# Altium PCB Copy of PCB1.PcbDoc (part 2 of 2)
Units mm, origin at the board's own origin, x right, y up, seen from the top; angles counter-clockwise.
Board outline 138.99 x 99.31 mm, 2 copper layers (Top Layer, Bottom Layer); 258 components, 212 nets, 701 pads, 41 vias.
Unrouted connection lines stored in the file: 158.
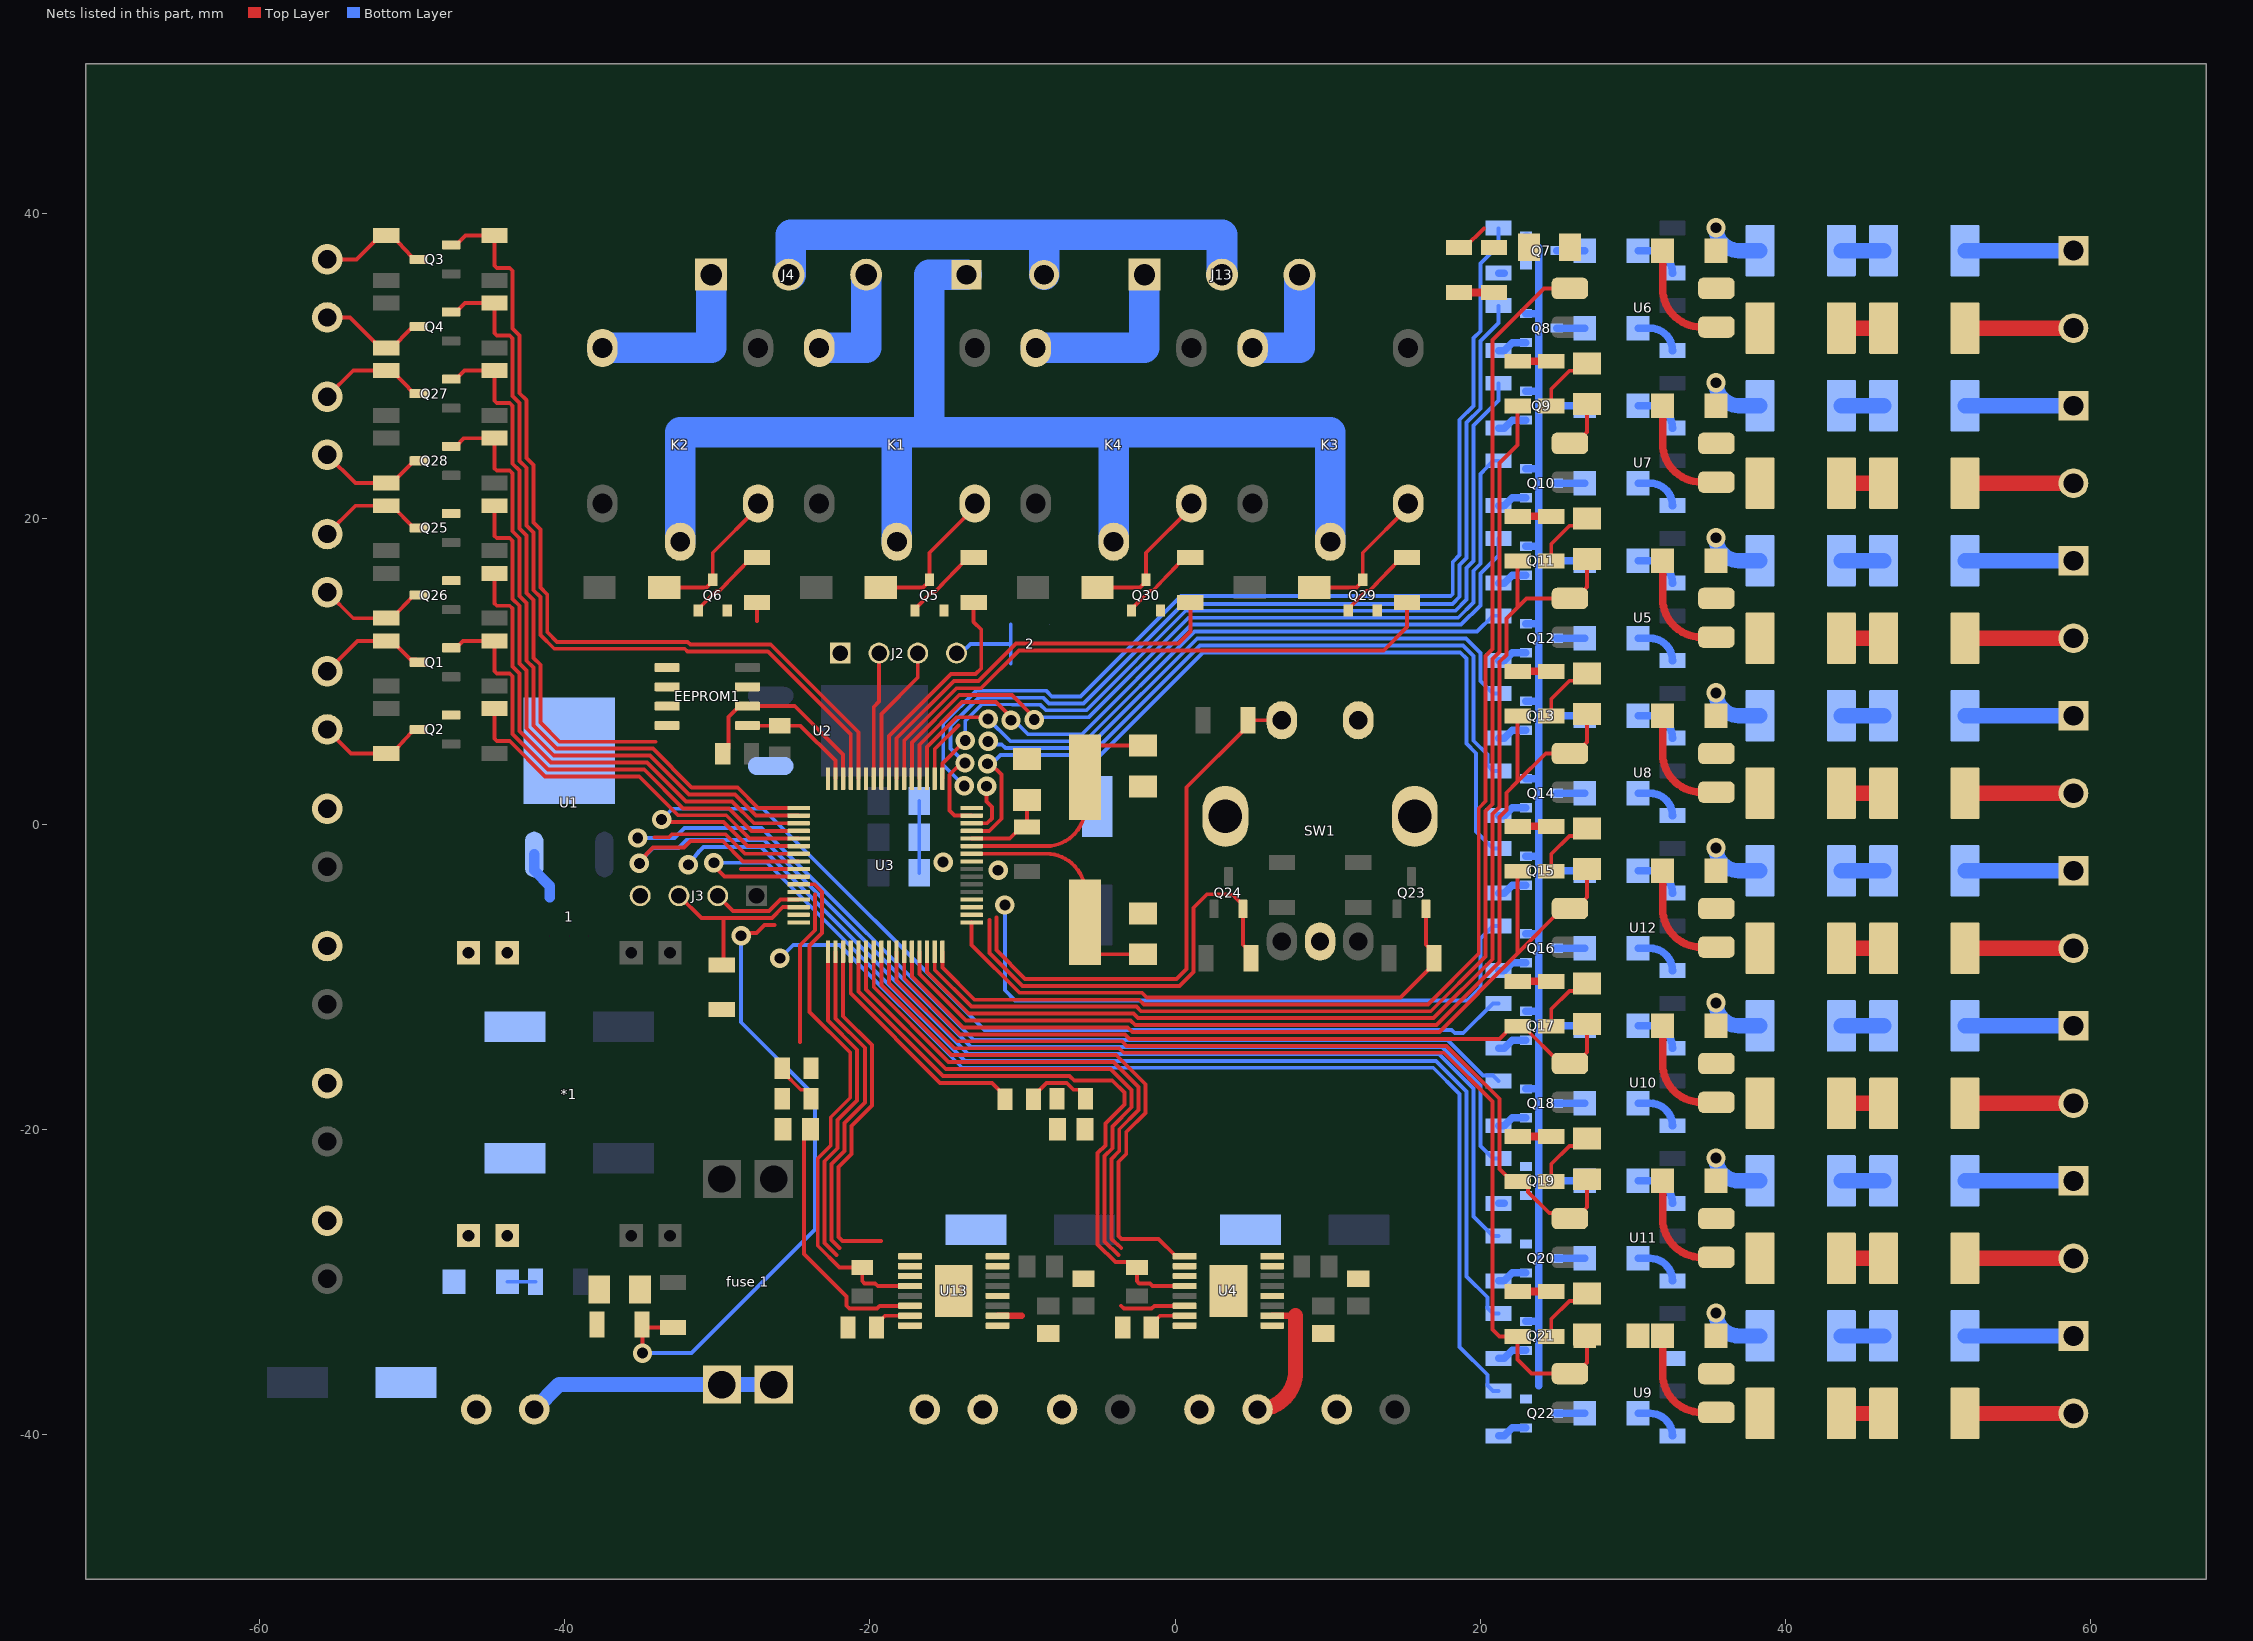
[diagram p2: the nets of this part, all layers, seen from the top]

## Via types
v1: diameter 1.27, hole 0.711, Top Layer to Bottom Layer, 41 vias

## Nets (pads, with @x,y where several pads share a name; then routed paths per layer and width w, separated by ;. In a path a pad name is that pad's centre, name@x,y a point inside that pad or via, vN(x,y) a via of type N, cw(c..) or ccw(c..) an arc to the next point about the centre after c; other vN are vias at no path point) (continued)
GND: *1.2 *1.3 C1.2 C2.2 C3.2 C4.1 C5.2 C6.1 C7.1 C8.1 C9.1 C10.1 C11.1 C12.1 C13.2 C14.1 C25.1 C26.2 C27.1 D1.1 EEPROM1.0 EEPROM1.1 EEPROM1.2 EEPROM1.3 EEPROM1.6 J2.01 J3.04 P1.1 P2.1 P5.1 P6.1 P8.1 P11.1 P12.1 Q5.2 Q6.2 Q7.2 Q8.2 Q9.2 Q10.2 Q11.2 Q12.2 Q13.2 Q14.2 Q15.2 Q16.2 Q17.2 Q18.2 Q19.2 Q20.2 Q21.2 Q22.2 Q29.2 Q30.2 R3.1 R4.2 R13.2 R14.1 R67.1 R68.1 R69.1 R70.1 R79.1 R80.1 R81.1 R82.1 R91.1 R92.1 R93.1 R94.1 R103.1 R104.1 R105.1 R106.1 R112.2 R113.1 SW1.2 SW1.5 SW1.SH1 SW1.SH2 U1.4 U2.1 U3.9 U4.9 U4.15 U4.16 U4.17 U13.9 U13.15 U13.16 U13.17 | length 108.4
  Top Layer w0.5: R68.1@18.6,34.83 R70.1@20.9,34.83 ; R91.1@22.45,-30.635 R93.1@24.656,-30.635 ; R103.1@22.45,-20.475 R105.1@24.656,-20.475 ; R92.1@22.45,-10.315 R94.1@24.656,-10.315 ; R104.1@22.45,-0.155 R106.1@24.656,-0.155 ; R80.1@22.45,10.005 R82.1@24.656,10.005 ; R67.1@22.45,20.165 R69.1@24.656,20.165 ; R79.1@22.45,30.325 R81.1@24.656,30.325
  Bottom Layer w0.254: C9.1@-16.764,-3.2 C10.1@-16.764,-0.875 C8.1@-16.764,1.5
  Bottom Layer w0.5: Q21.2@22.99,-32.595 23.84,-32.595 ; Q18.2@22.99,-17.355 23.84,-17.355 ; Q17.2@22.99,-12.275 23.84,-12.275 ; Q16.2@22.99,-7.195 23.84,-7.195 ; Q15.2@22.99,-2.115 23.84,-2.115 ; Q14.2@22.99,2.965 23.84,2.965 ; Q13.2@22.99,8.045 23.84,8.045 ; Q12.2@22.99,13.125 23.84,13.125 ; Q11.2@22.99,18.205 23.84,18.205 ; Q10.2@22.99,23.285 23.84,23.285 ; Q9.2@22.99,28.365 23.84,28.365 ; Q8.2@22.99,33.445 23.84,33.445 ; Q7.2@22.99,38.525 23.09,38.525 23.84,37.775 23.84,33.445 ; 23.84,-36.825 23.84,-32.595 ; 23.84,-32.595 23.84,-17.355 ; 23.84,-17.355 23.84,-12.275 ; 23.84,-12.275 23.84,-7.195 ; 23.84,-7.195 23.84,-2.115 ; 23.84,-2.115 23.84,2.965 ; 23.84,2.965 23.84,8.045 ; 23.84,8.045 23.84,13.125 ; 23.84,13.125 23.84,18.205 ; 23.84,18.205 23.84,23.285 ; 23.84,23.285 23.84,28.365 ; 23.84,28.365 23.84,33.445
  other v1: -11.6,-3.029 -15.2,-2.5
JACK-1-ENC-A: P4.2 Q2.3 R9.1 | length 7.3
  Top Layer w0.254: P4.2@-55.565,6.195 -54,4.63 R9.1@-51.7,4.63 -51.33,4.63 -50.048,6.009 -49.875,6.195 Q2.3@-49.56,6.195
JACK-1-ENC-B: P4.1 Q1.3 R8.1 | length 7.4
  Top Layer w0.254: P4.1@-55.565,10.005 -53.571,11.999 R8.1@-51.7,11.999 -51.33,11.999 -50.101,10.769 -49.733,10.769 Q1.3@-49.56,10.596
JACK-2-ENC-A: P10.2 Q26.3 R108.1 | length 7.4
  Top Layer w0.254: P10.2@-55.565,15.195 -53.857,13.487 R108.1@-51.7,13.487 -51.33,13.487 -49.875,14.998 Q26.3@-49.56,14.998
JACK-2-ENC-B: P10.1 Q25.3 R107.1 | length 7.4
  Top Layer w0.254: P10.1@-55.565,19.005 -53.714,20.856 R107.1@-51.7,20.856 -51.33,20.856 -49.875,19.399 Q25.3@-49.56,19.399
jack_extend1: P3.1 U4.8
jack_extend2: P9.1 U13.8
jack_retract1: P3.2 U4.10 | length 9.1
  Top Layer w0.41: U4.10@6.37,-32.225 7.9,-32.225
  Top Layer w1: P3.2@5.405,-38.365 ccw(c5.405,-35.87) 7.9,-35.87 7.9,-32.225
jack_retract2: P9.2 U13.10 | length 1.6
  Top Layer w0.41: U13.10@-11.63,-32.225 -10.049,-32.225
Motor1_NC: J4.03 K1.3 | length 7.9
  Bottom Layer w2: K1.3@-23.325,31.2 -20.245,31.2 J4.03@-20.245,36
Motor1_NO: J4.01 K2.3 | length 11.9
  Bottom Layer w2: K2.3@-37.525,31.2 -30.405,31.2 J4.01@-30.405,36
Motor2_NC: J13.03 K3.3 | length 7.9
  Bottom Layer w2: K3.3@5.075,31.2 8.155,31.2 J13.03@8.155,36
Motor2_NO: J13.01 K4.3 | length 11.9
  Bottom Layer w2: K4.3@-9.125,31.2 -2.005,31.2 J13.01@-2.005,36
MOTOR-1-ENC-A: P7.2 Q4.3 R17.1 | length 7.4
  Top Layer w0.254: P7.2@-55.565,33.195 -54.064,33.195 -52.07,31.201 R17.1@-51.7,31.201 -51.33,31.201 -50.101,32.431 -49.733,32.431 Q4.3@-49.56,32.604
MOTOR-1-ENC-B: P7.1 Q3.3 R16.1 | length 7.3
  Top Layer w0.254: P7.1@-55.565,37.005 -53.635,37.005 -52.07,38.57 R16.1@-51.7,38.57 -51.33,38.57 -50.048,37.191 -49.875,37.005 Q3.3@-49.56,37.005
MOTOR-2-ENC-A: P13.2 Q28.3 R116.1 | length 7.4
  Top Layer w0.254: P13.2@-55.565,24.195 -53.714,22.344 R116.1@-51.7,22.344 -51.33,22.344 -49.875,23.801 Q28.3@-49.56,23.801
MOTOR-2-ENC-B: P13.1 Q27.3 R115.1 | length 7.4
  Top Layer w0.254: P13.1@-55.565,28.005 -53.857,29.713 R115.1@-51.7,29.713 -51.33,29.713 -49.875,28.202 Q27.3@-49.56,28.202
Net1_1: 1.1 U1.3 | length 3.2
  Bottom Layer w0.7: U1.3@-42,-2 -42,-3.035 -40.97,-4.065 1.1@-40.97,-4.8
Net2_1: 2.1 2.2 2.3 J2.04 | length 6.3
  Bottom Layer w0.254: J2.04@-14.32,11.2 -14.018,11.2 -13.418,11.8 2.2@-10.77,11.8 ; 2.1@-10.77,10.53 2.2@-10.77,11.8 ; 2.3@-10.77,13.07 2.2@-10.77,11.8
NetC4_2: C4.2 R2.1 R3.2 U3.47 | length 42.1
  Top Layer w0.254: v1(-34.9,-34.671) -34.9,-33 R2.1@-32.9,-33 ; v1(-28.438,-7.327) -28.244,-7.133 -27.422,-7.133 -26.909,-6.619 -26.235,-6.619
  Bottom Layer w0.254: v1(-34.9,-34.671) -31.699,-34.671 -23.597,-26.568 -23.597,-17.834 -28.438,-12.993 v1(-28.438,-7.327)
NetC11_2: C11.2 R5.1 U3.12 | length 5.7
  Top Layer w0.254: U3.12@-13.33,-0.95 -10.838,-0.95 -10.07,-0.182 R5.1@-9.7,-0.182 C11.2@-9.7,1.585
NetC12_2: C12.2 R12.1 R14.2 U4.6 | length 8.9
  Top Layer w0.254: R12.1@-9.276,-18.034 -9.276,-17.824 -8.415,-16.963 -7.1,-16.963 -6.646,-17.417 -6.238,-17.417 -5.865,-17.79 R14.2@-5.865,-18 ; -3.537,-31.57 -3.345,-31.762 -1.544,-31.762 -1.357,-31.575 U4.6@0.63,-31.575
NetC17_1: C17.1 R69.2 | length 4.2
  Top Layer w0.254: R69.2@24.656,17.225 24.656,18.353 25.85,19.546 26.507,19.546 C17.1@26.992,20.031
NetC17_2: C17.2 R67.2 U3.62 U5.3 | length 74.9
  Top Layer w0.254: U3.62@-16.25,-8.37 -16.25,-9.697 -13.524,-12.423 -2.724,-12.423 -2.423,-12.724 16.944,-12.724 20.809,-8.859 20.809,0.659 21.263,1.112 21.263,10.63 21.717,11.084 21.717,13.462 22.45,14.195 ; R67.2@22.45,17.225 22.45,14.195 ; C17.2@26.992,17.359 26.992,15.523 26.254,14.785 U5.3@25.875,14.785 23.04,14.785 22.45,14.195
NetC18_1: C18.1 R70.2
NetC18_2: C18.2 R68.2 U3.64 U6.3 | length 87.8
  Top Layer w0.254: U3.64@-15.25,-8.37 -15.25,-9.413 -13.148,-11.515 -2.348,-11.515 -2.047,-11.816 16.568,-11.816 19.901,-8.483 19.901,1.035 20.355,1.489 20.355,11.007 20.809,11.461 20.809,31.731 24.183,35.105 U6.3@25.875,35.105 ; R68.2@18.6,37.77 18.97,37.77 20.237,39.037
NetC19_1: C19.1 R81.2 | length 4.2
  Top Layer w0.254: R81.2@24.656,27.385 24.656,28.513 25.85,29.706 26.507,29.706 C19.1@26.992,30.191
NetC19_2: C19.2 R79.2 U3.63 U7.3 | length 80.1
  Top Layer w0.254: U3.63@-15.75,-8.37 -15.75,-9.555 -13.336,-11.969 -2.536,-11.969 -2.235,-12.27 16.756,-12.27 20.355,-8.671 20.355,0.847 20.809,1.301 20.809,10.819 21.263,11.272 21.263,23.651 22.45,24.838 R79.2@22.45,27.385 ; U7.3@25.875,24.945 26.254,24.945 26.992,25.683 C19.2@26.992,27.519
NetC20_1: C20.1 R82.2 | length 4.2
  Top Layer w0.254: R82.2@24.656,7.065 24.656,8.193 25.85,9.386 26.507,9.386 C20.1@26.992,9.871
NetC20_2: C20.2 R80.2 U3.61 U8.3 | length 66.6
  Top Layer w0.254: U3.61@-16.75,-8.37 -16.75,-9.84 -13.713,-12.877 -2.912,-12.877 -2.611,-13.178 17.133,-13.178 21.263,-9.048 21.263,0.47 21.717,0.924 21.717,2.048 22.45,2.781 ; R80.2@22.45,7.065 22.45,2.781 ; C20.2@26.992,7.199 26.992,5.363 26.254,4.625 U8.3@25.875,4.625 24.294,4.625 22.45,2.781
NetC21_1: C21.1 R93.2 | length 4.2
  Top Layer w0.254: R93.2@24.656,-33.575 24.656,-32.447 25.85,-31.254 26.507,-31.254 C21.1@26.992,-30.769
NetC21_2: C21.2 R91.2 U3.57 U9.3 | length 70.2
  Top Layer w0.254: U3.57@-18.75,-8.37 -18.75,-10.408 -14.465,-14.693 -3.664,-14.693 -3.363,-14.994 17.61,-14.994 20.809,-18.193 20.809,-33.128 21.256,-33.575 R91.2@22.45,-33.575 22.45,-35.099 23.366,-36.015 U9.3@25.875,-36.015 26.254,-36.015 26.992,-35.277 C21.2@26.992,-33.441
NetC22_1: C22.1 R94.2 | length 4.2
  Top Layer w0.254: R94.2@24.656,-13.255 24.656,-12.127 25.85,-10.934 26.507,-10.934 C22.1@26.992,-10.449
NetC22_2: C22.2 R92.2 U3.59 U10.3 | length 51.6
  Top Layer w0.254: U3.59@-17.75,-8.37 -17.75,-10.124 -14.089,-13.785 -3.288,-13.785 -2.987,-14.086 21.249,-14.086 22.08,-13.255 R92.2@22.45,-13.255 22.82,-13.255 25.26,-15.695 U10.3@25.875,-15.695 26.254,-15.695 26.992,-14.957 C22.2@26.992,-13.121
NetC23_1: C23.1 R105.2 | length 4.2
  Top Layer w0.254: R105.2@24.656,-23.415 24.656,-22.287 25.85,-21.094 26.507,-21.094 C23.1@26.992,-20.609
NetC23_2: C23.2 R103.2 U3.58 U11.3 | length 58.6
  Top Layer w0.254: U3.58@-18.25,-8.37 -18.25,-10.266 -14.277,-14.239 -3.476,-14.239 -3.175,-14.54 17.798,-14.54 21.263,-18.005 21.263,-22.598 22.08,-23.415 R103.2@22.45,-23.415 22.777,-23.415 23.14,-23.778 23.14,-24.105 24.52,-25.485 25.505,-25.485 U11.3@25.875,-25.855 26.254,-25.855 26.992,-25.117 C23.2@26.992,-23.281
NetC24_1: C24.1 R106.2 | length 4.2
  Top Layer w0.254: R106.2@24.656,-3.095 24.656,-1.967 25.85,-0.774 26.507,-0.774 C24.1@26.992,-0.289
NetC24_2: C24.2 R104.2 U3.60 U12.3 | length 58.3
  Top Layer w0.254: U3.60@-17.25,-8.37 -17.25,-9.982 -13.901,-13.331 -3.1,-13.331 -2.799,-13.632 17.321,-13.632 22.45,-8.475 ; R104.2@22.45,-3.095 22.45,-8.475 ; C24.2@26.992,-2.961 26.992,-4.797 26.254,-5.535 U12.3@25.875,-5.535 25.375,-5.535 22.45,-8.475
NetC25_2: C25.2 R111.1 R113.2 U13.6 | length 20.2
  Top Layer w0.254: R111.1@-25.735,-16 -25.735,-16.21 -24.528,-17.417 -24.238,-17.417 -23.865,-17.79 R113.2@-23.865,-18 ; C25.2@-23.9,-20 -24.328,-20.428 -24.328,-28.172 -21.537,-30.963 -21.537,-31.57 -21.345,-31.762 -19.544,-31.762 -19.357,-31.575 U13.6@-17.37,-31.575
NetD1_2: D1.2 R1.1 | length 1.9
  Bottom Layer w0.254: D1.2@-43.75,-30 R1.1@-41.9,-30
NetD2_A: D2.A K1.5 Q5.3 | length 9.7
  Top Layer w0.254: D2.A@-19.285,15.5 -16.51,15.5 -16.1,15.91 Q5.3@-16.1,16.01 -16.1,17.775 -13.125,20.75 K1.5@-13.125,21
NetD3_A: D3.A K2.5 Q6.3 | length 9.7
  Top Layer w0.254: D3.A@-33.485,15.5 -30.71,15.5 -30.3,15.91 Q6.3@-30.3,16.01 -30.3,17.775 -27.325,20.75 K2.5@-27.325,21
NetD4_1: D4.1 Q7.3 | length 1.8
  Bottom Layer w0.5: Q7.3@25.01,37.575 D4.1@26.85,37.575
NetD4_2: D4.2 R22.1 | length 3.1
  Bottom Layer w0.5: D4.2@30.35,37.575 31.13,37.575 cw(c31.13,36.105) R22.1@32.6,36.105
NetD5_1: D5.1 Q8.3 | length 1.8
  Bottom Layer w0.5: Q8.3@25.01,32.495 D5.1@26.85,32.495
NetD5_2: D5.2 R23.1 | length 3.1
  Bottom Layer w0.5: D5.2@30.35,32.495 31.13,32.495 cw(c31.13,31.025) R23.1@32.6,31.025
NetD6_1: D6.1 Q9.3 | length 1.8
  Bottom Layer w0.5: Q9.3@25.01,27.415 D6.1@26.85,27.415
NetD6_2: D6.2 R24.1 | length 3.1
  Bottom Layer w0.5: D6.2@30.35,27.415 31.13,27.415 cw(c31.13,25.945) R24.1@32.6,25.945
NetD7_1: D7.1 Q10.3 | length 1.8
  Bottom Layer w0.5: Q10.3@25.01,22.335 D7.1@26.85,22.335
NetD7_2: D7.2 R25.1 | length 3.1
  Bottom Layer w0.5: D7.2@30.35,22.335 31.13,22.335 cw(c31.13,20.865) R25.1@32.6,20.865
NetD8_1: D8.1 Q11.3 | length 1.8
  Bottom Layer w0.5: Q11.3@25.01,17.255 D8.1@26.85,17.255
NetD8_2: D8.2 R26.1 | length 3.1
  Bottom Layer w0.5: D8.2@30.35,17.255 31.13,17.255 cw(c31.13,15.785) R26.1@32.6,15.785
NetD9_1: D9.1 Q12.3 | length 1.8
  Bottom Layer w0.5: Q12.3@25.01,12.175 D9.1@26.85,12.175
NetD9_2: D9.2 R27.1 | length 3.1
  Bottom Layer w0.5: D9.2@30.35,12.175 31.13,12.175 cw(c31.13,10.705) R27.1@32.6,10.705
NetD10_1: D10.1 Q13.3 | length 1.8
  Bottom Layer w0.5: Q13.3@25.01,7.095 D10.1@26.85,7.095
NetD10_2: D10.2 R28.1 | length 3.1
  Bottom Layer w0.5: D10.2@30.35,7.095 31.13,7.095 cw(c31.13,5.625) R28.1@32.6,5.625
NetD11_1: D11.1 Q14.3 | length 1.8
  Bottom Layer w0.5: Q14.3@25.01,2.015 D11.1@26.85,2.015
NetD11_2: D11.2 R29.1 | length 3.1
  Bottom Layer w0.5: D11.2@30.35,2.015 31.13,2.015 cw(c31.13,0.545) R29.1@32.6,0.545
NetD12_1: D12.1 Q15.3 | length 1.8
  Bottom Layer w0.5: Q15.3@25.01,-3.065 D12.1@26.85,-3.065
NetD12_2: D12.2 R38.1 | length 3.1
  Bottom Layer w0.5: D12.2@30.35,-3.065 31.13,-3.065 cw(c31.13,-4.535) R38.1@32.6,-4.535
NetD13_1: D13.1 Q16.3 | length 1.8
  Bottom Layer w0.5: Q16.3@25.01,-8.145 D13.1@26.85,-8.145
NetD13_2: D13.2 R39.1 | length 3.1
  Bottom Layer w0.5: D13.2@30.35,-8.145 31.13,-8.145 cw(c31.13,-9.615) R39.1@32.6,-9.615
NetD14_1: D14.1 Q17.3 | length 1.8
  Bottom Layer w0.5: Q17.3@25.01,-13.225 D14.1@26.85,-13.225
NetD14_2: D14.2 R40.1 | length 3.1
  Bottom Layer w0.5: D14.2@30.35,-13.225 31.13,-13.225 cw(c31.13,-14.695) R40.1@32.6,-14.695
NetD15_1: D15.1 Q18.3 | length 1.8
  Bottom Layer w0.5: Q18.3@25.01,-18.305 D15.1@26.85,-18.305
NetD15_2: D15.2 R41.1 | length 3.1
  Bottom Layer w0.5: D15.2@30.35,-18.305 31.13,-18.305 cw(c31.13,-19.775) R41.1@32.6,-19.775
NetD16_1: D16.1 Q19.3 | length 1.8
  Bottom Layer w0.5: Q19.3@25.01,-23.385 D16.1@26.85,-23.385
NetD16_2: D16.2 R42.1 | length 3.1
  Bottom Layer w0.5: D16.2@30.35,-23.385 31.13,-23.385 cw(c31.13,-24.855) R42.1@32.6,-24.855
NetD17_1: D17.1 Q20.3 | length 1.8
  Bottom Layer w0.5: Q20.3@25.01,-28.465 D17.1@26.85,-28.465
NetD17_2: D17.2 R43.1 | length 3.1
  Bottom Layer w0.5: D17.2@30.35,-28.465 31.13,-28.465 cw(c31.13,-29.935) R43.1@32.6,-29.935
NetD18_1: D18.1 Q21.3
NetD18_2: D18.2 R44.1
NetD19_1: D19.1 Q22.3 | length 1.8
  Bottom Layer w0.5: Q22.3@25.01,-38.625 D19.1@26.85,-38.625
NetD19_2: D19.2 R45.1 | length 3.1
  Bottom Layer w0.5: D19.2@30.35,-38.625 31.13,-38.625 cw(c31.13,-40.095) R45.1@32.6,-40.095
NetD20_1: D20.1 R60.2 U5.1 | length 7.4
  Top Layer w0.5: D20.1@31.95,17.255 31.95,14.785 ccw(c34.49,14.785) 34.49,12.245 U5.1@35.475,12.245
NetD20_2: D20.2 R64.2 U5.2 | length 3.7
  Bottom Layer w1: v1(35.45,18.755) ccw(c36.95,18.755) 36.95,17.255 R64.2@38.34,17.255
NetD21_1: D21.1 R62.2 U6.1 | length 7.4
  Top Layer w0.5: D21.1@31.95,37.575 31.95,35.105 ccw(c34.49,35.105) 34.49,32.565 U6.1@35.475,32.565
NetD21_2: D21.2 R66.2 U6.2 | length 3.7
  Bottom Layer w1: v1(35.45,39.075) ccw(c36.95,39.075) 36.95,37.575 R66.2@38.34,37.575
NetD22_1: D22.1 R72.2 U7.1 | length 7.4
  Top Layer w0.5: D22.1@31.95,27.415 31.95,24.945 ccw(c34.49,24.945) 34.49,22.405 U7.1@35.475,22.405
NetD22_2: D22.2 R76.2 U7.2 | length 3.7
  Bottom Layer w1: v1(35.45,28.915) ccw(c36.95,28.915) 36.95,27.415 R76.2@38.34,27.415
NetD23_1: D23.1 R74.2 U8.1 | length 7.4
  Top Layer w0.5: D23.1@31.95,7.095 31.95,4.625 ccw(c34.49,4.625) 34.49,2.085 U8.1@35.475,2.085
NetD23_2: D23.2 R78.2 U8.2 | length 3.7
  Bottom Layer w1: v1(35.45,8.595) ccw(c36.95,8.595) 36.95,7.095 R78.2@38.34,7.095
NetD24_1: D24.1 R84.2 U9.1 | length 7.4
  Top Layer w0.5: D24.1@31.95,-33.545 31.95,-36.015 ccw(c34.49,-36.015) 34.49,-38.555 U9.1@35.475,-38.555
NetD24_2: D24.2 R88.2 U9.2 | length 3.7
  Bottom Layer w1: v1(35.45,-32.045) ccw(c36.95,-32.045) 36.95,-33.545 R88.2@38.34,-33.545
NetD25_1: D25.1 R86.2 U10.1 | length 7.4
  Top Layer w0.5: D25.1@31.95,-13.225 31.95,-15.695 ccw(c34.49,-15.695) 34.49,-18.235 U10.1@35.475,-18.235
NetD25_2: D25.2 R90.2 U10.2 | length 3.7
  Bottom Layer w1: v1(35.45,-11.725) ccw(c36.95,-11.725) 36.95,-13.225 R90.2@38.34,-13.225
NetD26_1: D26.1 R96.2 U11.1 | length 7.4
  Top Layer w0.5: D26.1@31.95,-23.385 31.95,-25.855 ccw(c34.49,-25.855) 34.49,-28.395 U11.1@35.475,-28.395
NetD26_2: D26.2 R100.2 U11.2 | length 3.7
  Bottom Layer w1: v1(35.45,-21.885) ccw(c36.95,-21.885) 36.95,-23.385 R100.2@38.34,-23.385
NetD27_1: D27.1 R98.2 U12.1 | length 7.4
  Top Layer w0.5: D27.1@31.95,-3.065 31.95,-5.535 ccw(c34.49,-5.535) 34.49,-8.075 U12.1@35.475,-8.075
NetD27_2: D27.2 R102.2 U12.2 | length 3.7
  Bottom Layer w1: v1(35.45,-1.565) ccw(c36.95,-1.565) 36.95,-3.065 R102.2@38.34,-3.065
NetD28_A: D28.A K3.5 Q29.3 | length 9.7
  Top Layer w0.254: D28.A@9.115,15.5 11.89,15.5 12.3,15.91 Q29.3@12.3,16.01 12.3,17.775 15.275,20.75 K3.5@15.275,21
NetD29_A: D29.A K4.5 Q30.3 | length 9.7
  Top Layer w0.254: D29.A@-5.085,15.5 -2.31,15.5 -1.9,15.91 Q30.3@-1.9,16.01 -1.9,17.775 1.075,20.75 K4.5@1.075,21
"Netfuse 1_1": "fuse 1.1" P1.2 | length 16.4
  Bottom Layer w1: P1.2@-41.99,-38.365 -40.36,-36.735 -29.7,-36.735 -26.3,-36.735
NetJ1_1: J1.1 K1.1 K2.1 K3.1 K4.1 | length 84.1
  Bottom Layer w2: K2.1@-32.425,18.5 -32.425,25.679 -18.225,25.679 ; K1.1@-18.225,18.5 -18.225,25.679 ; J1.1@-13.665,36 -16.104,36 -16.104,25.679 ; K4.1@-4.025,18.5 -4.025,25.679 ; K3.1@10.175,18.5 10.175,25.679 -4.025,25.679 ; -18.225,25.679 -16.104,25.679 ; -16.104,25.679 -4.025,25.679
NetJ1_2: J1.2 J4.02 J13.02 | length 36.2
  Bottom Layer w2: J4.02@-25.325,36 -25.171,36 -25.171,38.608 -8.585,38.608 ; J1.2@-8.585,36 -8.585,38.608 ; J13.02@3.075,36 3.075,38.608 -8.585,38.608
NetJ5_1: J5.1 R63.1 | length 7.1
  Bottom Layer w1: R63.1@51.76,17.255 J5.1@58.875,17.255
NetJ5_2: J5.2 R59.1 | length 7.1
  Top Layer w1: R59.1@51.76,12.175 J5.2@58.875,12.175
NetJ6_1: J6.1 R65.1 | length 7.1
  Bottom Layer w1: R65.1@51.76,37.575 J6.1@58.875,37.575
NetJ6_2: J6.2 R61.1 | length 7.1
  Top Layer w1: R61.1@51.76,32.495 J6.2@58.875,32.495
NetJ7_1: J7.1 R75.1 | length 7.1
  Bottom Layer w1: R75.1@51.76,27.415 J7.1@58.875,27.415
NetJ7_2: J7.2 R71.1 | length 7.1
  Top Layer w1: R71.1@51.76,22.335 J7.2@58.875,22.335
NetJ8_1: J8.1 R77.1 | length 7.1
  Bottom Layer w1: R77.1@51.76,7.095 J8.1@58.875,7.095
NetJ8_2: J8.2 R73.1 | length 7.1
  Top Layer w1: R73.1@51.76,2.015 J8.2@58.875,2.015
NetJ9_1: J9.1 R87.1 | length 7.1
  Bottom Layer w1: R87.1@51.76,-33.545 J9.1@58.875,-33.545
NetJ9_2: J9.2 R83.1 | length 7.1
  Top Layer w1: R83.1@51.76,-38.625 J9.2@58.875,-38.625
NetJ10_1: J10.1 R89.1 | length 7.1
  Bottom Layer w1: R89.1@51.76,-13.225 J10.1@58.875,-13.225
NetJ10_2: J10.2 R85.1 | length 7.1
  Top Layer w1: R85.1@51.76,-18.305 J10.2@58.875,-18.305
NetJ11_1: J11.1 R99.1 | length 7.1
  Bottom Layer w1: R99.1@51.76,-23.385 J11.1@58.875,-23.385
NetJ11_2: J11.2 R95.1 | length 7.1
  Top Layer w1: R95.1@51.76,-28.465 J11.2@58.875,-28.465
NetJ12_1: J12.1 R101.1 | length 7.1
  Bottom Layer w1: R101.1@51.76,-3.065 J12.1@58.875,-3.065
NetJ12_2: J12.2 R97.1 | length 7.1
  Top Layer w1: R97.1@51.76,-8.145 J12.2@58.875,-8.145
NetQ1_2: Q1.2 R10.1 U3.36 | length 31.5
  Top Layer w0.254: Q1.2@-47.44,11.546 -47.125,11.546 -46.673,11.999 R10.1@-44.6,11.999 -44.6,10.024 -44.451,9.876 -43.605,9.876 -43.413,9.684 -43.413,5.897 -41.091,3.575 -34.788,3.575 -32.242,1.028 -29.224,1.028 -27.746,-0.45 U3.36@-24.67,-0.45
NetQ2_2: Q2.2 R11.1 U3.37 | length 24.9
  Top Layer w0.254: Q2.2@-47.44,7.145 Q2.2@-47.125,7.145 ; R11.1@-44.6,7.57 -44.6,5.596 -44.451,5.447 -43.605,5.447 -41.279,3.121 -35.117,3.121 -32.571,0.574 -29.412,0.574 -27.888,-0.95 U3.37@-24.67,-0.95
NetQ3_2: Q3.2 R18.1 U3.28 | length 57.2
  Top Layer w0.254: Q3.2@-47.44,37.955 -47.125,37.955 -46.51,38.57 R18.1@-44.6,38.57 -44.6,36.596 -44.451,36.447 -43.605,36.447 -43.413,36.255 -43.413,32.469 -42.959,32.015 -42.959,28.228 -42.505,27.774 -42.505,23.988 -42.051,23.534 -42.051,19.747 -41.597,19.293 -41.597,15.507 -41.143,15.053 -41.143,12.583 -40.498,11.938 -31.944,11.938 -31.76,11.754 -26.493,11.754 -20.75,6.011 U3.28@-20.75,2.97
NetQ4_2: Q4.2 R19.1 U3.29 | length 52.5
  Top Layer w0.254: Q4.2@-47.44,33.554 -47.125,33.554 -46.537,34.141 R19.1@-44.6,34.141 -44.6,32.167 -44.451,32.018 -43.605,32.018 -43.413,31.827 -43.413,28.04 -42.959,27.586 -42.959,23.8 -42.505,23.346 -42.505,19.559 -42.051,19.105 -42.051,15.319 -41.597,14.865 -41.597,12.394 -40.686,11.484 -32.132,11.484 -31.948,11.3 -26.689,11.3 -21.25,5.861 U3.29@-21.25,2.97
NetQ5_1: Q5.1 R20.1 | length 5.4
  Top Layer w0.254: Q5.1@-17.05,13.99 -17.05,14.09 -15.942,15.198 -15.75,15.198 -13.57,17.47 R20.1@-13.2,17.47
NetQ6_1: Q6.1 R21.1 | length 5.4
  Top Layer w0.254: Q6.1@-31.25,13.99 -31.25,14.09 -30.057,15.283 -29.865,15.283 -27.77,17.47 R21.1@-27.4,17.47
NetQ7_1: Q7.1 R30.1 | length 0.4
  Bottom Layer w0.5: R30.1@21.2,36.105 R30.1@21.57,36.105
NetQ8_1: Q8.1 R31.1 | length 2
  Bottom Layer w0.5: R31.1@21.2,31.025 21.57,31.025 22.09,31.545 Q8.1@22.99,31.545
NetQ9_1: Q9.1 R32.1 | length 2
  Bottom Layer w0.5: R32.1@21.2,25.945 21.57,25.945 22.09,26.465 Q9.1@22.99,26.465
NetQ10_1: Q10.1 R33.1 | length 2
  Bottom Layer w0.5: R33.1@21.2,20.865 21.57,20.865 22.09,21.385 Q10.1@22.99,21.385
NetQ11_1: Q11.1 R34.1 | length 2
  Bottom Layer w0.5: R34.1@21.2,15.785 21.57,15.785 22.09,16.305 Q11.1@22.99,16.305
NetQ12_1: Q12.1 R35.1 | length 2
  Bottom Layer w0.5: R35.1@21.2,10.705 21.57,10.705 22.09,11.225 Q12.1@22.99,11.225
NetQ13_1: Q13.1 R36.1 | length 2
  Bottom Layer w0.5: R36.1@21.2,5.625 21.57,5.625 22.09,6.145 Q13.1@22.99,6.145
NetQ14_1: Q14.1 R37.1 | length 2
  Bottom Layer w0.5: R37.1@21.2,0.545 21.57,0.545 22.09,1.065 Q14.1@22.99,1.065
NetQ15_1: Q15.1 R46.1 | length 2
  Bottom Layer w0.5: R46.1@21.2,-4.535 21.57,-4.535 22.09,-4.015 Q15.1@22.99,-4.015
NetQ16_1: Q16.1 R47.1 | length 2
  Bottom Layer w0.5: R47.1@21.2,-9.615 21.57,-9.615 22.09,-9.095 Q16.1@22.99,-9.095
NetQ17_1: Q17.1 R48.1 | length 2
  Bottom Layer w0.5: R48.1@21.2,-14.695 21.57,-14.695 22.09,-14.175 Q17.1@22.99,-14.175
NetQ18_1: Q18.1 R49.1 | length 2
  Bottom Layer w0.5: R49.1@21.2,-19.775 21.57,-19.775 22.09,-19.255 Q18.1@22.99,-19.255
NetQ19_1: Q19.1 R50.1 | length 0.4
  Bottom Layer w0.5: R50.1@21.2,-24.855 R50.1@21.57,-24.855
NetQ20_1: Q20.1 R51.1 | length 2
  Bottom Layer w0.5: R51.1@21.2,-29.935 21.57,-29.935 22.09,-29.415 Q20.1@22.99,-29.415
NetQ21_1: Q21.1 R52.1 | length 2
  Bottom Layer w0.5: R52.1@21.2,-35.015 21.57,-35.015 22.09,-34.495 Q21.1@22.99,-34.495
NetQ22_1: Q22.1 R53.1 | length 2
  Bottom Layer w0.5: R53.1@21.2,-40.095 21.57,-40.095 22.09,-39.575 Q22.1@22.99,-39.575
NetQ23_2: Q23.2 R57.2 U3.1 | length 37.9
  Top Layer w0.254: U3.1@-13.33,-6.45 -13.33,-7.93 -10.199,-11.061 -2.16,-11.061 -1.859,-11.362 14.778,-11.362 16.97,-9.17 R57.2@16.97,-8.8 16.97,-8.43 16.45,-7.91 Q23.2@16.45,-5.56
NetQ24_2: Q24.2 R58.1 U3.2 | length 28.6
  Top Layer w0.254: -12.167,-6.296 -12.167,-8.451 -10.011,-10.607 0.293,-10.607 1.213,-9.687 1.213,-5.487 2.1,-4.6 3.73,-4.6 4.45,-5.32 Q24.2@4.45,-5.56 4.45,-7.91 4.97,-8.43 R58.1@4.97,-8.8
NetQ25_2: Q25.2 R109.1 U3.34 | length 36.2
  Top Layer w0.254: R109.1@-44.6,20.856 -44.6,18.882 -44.451,18.733 -43.605,18.733 -43.413,18.541 -43.413,14.755 -42.959,14.301 -42.959,10.514 -42.505,10.06 -42.505,6.274 -40.714,4.483 -34.412,4.483 -31.866,1.936 -28.848,1.936 -27.462,0.55 U3.34@-24.67,0.55
NetQ26_2: Q26.2 R110.1 U3.35 | length 32.6
  Top Layer w0.254: Q26.2@-47.44,15.948 Q26.2@-47.125,15.948 ; R110.1@-44.6,16.427 -44.6,14.453 -44.451,14.304 -43.605,14.304 -43.413,14.113 -43.413,10.326 -42.959,9.872 -42.959,6.086 -40.902,4.029 -34.6,4.029 -32.054,1.482 -29.036,1.482 -27.604,0.05 U3.35@-24.67,0.05
NetQ27_2: Q27.2 R117.1 U3.32 | length 36
  Top Layer w0.254: Q27.2@-47.44,29.152 -47.125,29.152 -46.564,29.713 R117.1@-44.6,29.713 -44.6,27.739 -44.451,27.59 -43.605,27.59 -43.413,27.398 -43.413,23.612 -42.959,23.158 -42.959,19.371 -42.505,18.917 -42.505,15.131 -42.051,14.677 -42.051,10.89 -41.597,10.436 -41.597,6.65 -40.338,5.391 -34.036,5.391
NetQ28_2: Q28.2 R118.1 U3.33 | length 43.1
  Top Layer w0.254: Q28.2@-47.44,24.751 -47.125,24.751 -46.591,25.284 R118.1@-44.6,25.284 -44.6,23.31 -44.451,23.161 -43.605,23.161 -43.413,22.97 -43.413,19.183 -42.959,18.729 -42.959,14.943 -42.505,14.489 -42.505,10.702 -42.051,10.248 -42.051,6.462 -40.526,4.937 -34.224,4.937 -31.678,2.39 -28.66,2.39 -27.32,1.05 U3.33@-24.67,1.05
NetQ29_1: Q29.1 R119.1 | length 5.4
  Top Layer w0.254: Q29.1@11.35,13.99 11.35,14.09 12.543,15.283 12.735,15.283 14.83,17.47 R119.1@15.2,17.47
NetQ30_1: Q30.1 R120.1 | length 5.4
  Top Layer w0.254: Q30.1@-2.85,13.99 -2.85,14.09 -1.657,15.283 -1.465,15.283 0.63,17.47 R120.1@1,17.47
NetR12_2: R12.2 U3.52 | length 15.8
  Top Layer w0.254: U3.52@-21.25,-8.37 -21.25,-11.118 -15.405,-16.963 -12.007,-16.963 -11.146,-17.824 R12.2@-11.146,-18.034
NetR13_1: R13.1 U4.7 | length 2.6
  Top Layer w0.254: R13.1@-1.565,-33 -1.565,-32.79 -1,-32.225 U4.7@0.63,-32.225
NetR15_1: R15.1 U3.53 U4.4 | length 40.8
  Top Layer w0.254: U3.53@-20.75,-8.37 -20.75,-10.976 -15.217,-16.509 -6.912,-16.509 -6.611,-16.81 -4.115,-16.81 -3.323,-17.602 -3.323,-18.389 -4.564,-19.63 -4.564,-21.058 -5.077,-21.571 -5.077,-27.558 -3.903,-28.692 -2.873,-28.692 R15.1@-2.5,-29.065 -2.5,-29.959 -2.351,-30.108 -1.655,-30.108 -1.488,-30.275 U4.4@0.63,-30.275
NetR20_2: R20.2 U3.24 | length 15.2
  Top Layer w0.254: U3.24@-18.75,2.97 -18.75,5.761 -14.681,9.83 -13.07,9.83 -12.7,10.2 -12.7,12.751 -13.2,13.251 R20.2@-13.2,14.53
NetR21_2: R21.2 U3.27 | length 1.2
  Top Layer w0.254: -27.4,13.303 R21.2@-27.4,14.53
NetR30_2: R30.2 U3.16 | length 67.1
  Bottom Layer w0.254: v1(-13.818,2.5) -15.189,3.872 -15.189,6.589 -13.025,8.754 -8.433,8.712 -8.083,8.362 -6.192,8.362 0.381,14.935 18.048,14.935 18.197,15.084 18.197,17.163 18.651,17.617 18.651,26.493 19.559,27.401 19.559,31.838 20.013,32.292 20.013,36.73 21.2,37.917 R30.2@21.2,39.045
NetR31_2: R31.2 U3.15 | length 65.4
  Top Layer w0.254: v1(-13.763,4) -14.009,4 -14.78,3.229 -14.78,0.88 -14.45,0.55 U3.15@-13.33,0.55
  Bottom Layer w0.254: v1(-13.763,4) -14.71,4.947 -14.71,6.427 -12.837,8.3 -8.621,8.258 -8.271,7.908 -6.004,7.908 0.515,14.427 18.182,14.427 18.651,14.896 18.651,16.975 19.105,17.429 19.105,26.304 20.013,27.212 20.013,31.65 21.2,32.837 R31.2@21.2,33.965
NetR32_2: R32.2 U3.17 | length 55.9
  Top Layer w0.254: U3.17@-15.25,2.97 -15.25,3.968 v1(-13.748,5.47)
  Bottom Layer w0.254: v1(-13.748,5.47) -13.748,6.747 -12.648,7.846 -8.81,7.804 -8.46,7.454 -5.816,7.454 0.703,13.973 18.37,13.973 19.105,14.708 19.105,16.787 19.559,17.241 19.559,26.116 21.2,27.757 R32.2@21.2,28.885
NetR33_2: R33.2 U3.21 | length 54.6
  Top Layer w0.254: U3.21@-17.25,2.97 -17.25,5.335 -14.142,8.442 -10.692,8.442 -9.232,6.982 v1(-9.232,6.842)
  Bottom Layer w0.254: v1(-9.232,6.842) -9.074,7 -5.628,7 0.891,13.519 18.558,13.519 19.559,14.52 19.559,16.598 20.013,17.052 20.013,22.934 20.83,23.805 R33.2@21.2,23.805
NetR34_2: R34.2 U3.20 | length 49.5
  Top Layer w0.254: U3.20@-16.75,2.97 -16.75,5.193 -13.954,7.988 -11.738,7.988 -10.75,7 v1(-10.75,6.803)
  Bottom Layer w0.254: v1(-10.75,6.803) -10.553,6.803 -9.63,5.88 -6.106,5.88 1.079,13.065 18.746,13.065 20.013,14.332 20.013,16.41 21.2,17.597 R34.2@21.2,18.725
NetR35_2: R35.2 U3.19 | length 44.4
  Top Layer w0.254: U3.19@-16.25,2.97 -16.25,5.051 -14.301,7 -12.366,7 v1(-12.25,6.884)
  Bottom Layer w0.254: v1(-12.25,6.884) -10.792,5.426 -5.918,5.426 1.267,12.611 19.796,12.611 20.83,13.645 R35.2@21.2,13.645
NetR36_2: R36.2 U3.18 | length 43.3
  Top Layer w0.254: U3.18@-15.75,2.97 -15.75,4.909 -14.201,6.458
  Bottom Layer w0.254: v1(-12.25,5.414) -12.056,5.22 -11.355,5.22 -11.107,4.972 -5.73,4.972 1.455,12.157 19.066,12.157 20.013,11.21 20.013,9.382 20.83,8.565 R36.2@21.2,8.565
NetR37_2: R37.2 U3.13 | length 50.2
  Top Layer w0.254: U3.13@-13.33,-0.45 -12.178,-0.45 -11.386,0.342 -11.386,3.237 -12.094,3.945 v1(-12.294,3.945)
  Bottom Layer w0.254: v1(-12.294,3.945) -12.019,3.945 -11.446,4.518 -5.542,4.518 1.643,11.703 18.878,11.703 19.559,11.022 19.559,5.454 20.467,4.546 20.467,3.848 20.83,3.485 R37.2@21.2,3.485
NetR46_2: R46.2 U3.14 | length 44.8
  Top Layer w0.254: U3.14@-13.33,0.05 -12.32,0.05 -12,0.37 -12,1.124 -12.348,1.471 v1(-12.348,2.476)
  Bottom Layer w0.254: -5.354,4.064 1.831,11.249 18.69,11.249 19.105,10.834 19.105,5.266 19.733,4.638 19.733,-0.498 20.83,-1.595 R46.2@21.2,-1.595
NetR47_2: R47.2 U3.4 | length 42.4
  Top Layer w0.254: v1@-11.428,-5.308 v1(-11.153,-5.308)
  Bottom Layer w0.254: v1(-11.153,-5.308) -11.153,-10.898 -10.489,-11.562 19.149,-11.562 20.013,-10.698 20.013,-7.495 20.83,-6.675 R47.2@21.2,-6.675
NetR48_2: R48.2 U3.38 | length 71.7
  Top Layer w0.254: v1(-33.649,0.292) -33.477,0.12 -29.6,0.12 -28.03,-1.45 U3.38@-24.67,-1.45
  Bottom Layer w0.254: v1(-33.649,0.292) -32.941,1 -27,1 -12.497,-13.503 18.128,-13.503 18.328,-13.703 18.882,-13.703 20.83,-11.755 R48.2@21.2,-11.755
NetR49_2: R49.2 U3.39 | length 73.6
  Top Layer w0.254: -34.13,-0.87 -33.168,-0.87 -32.968,-0.67 -29.452,-0.67 -28.172,-1.95 U3.39@-24.67,-1.95
  Bottom Layer w0.254: v1(-35.212,-0.913) -32.813,-0.913 -32.156,-0.256 -27.097,-0.256 -13.196,-14.157 17.857,-14.157 20.177,-16.477 20.842,-16.477 R49.2@21.2,-16.835
NetR50_2: R50.2 U3.40 | length 79.6
  Top Layer w0.254: v1(-35.103,-2.58) -35.103,-2.447 -34.204,-1.548 -32.188,-1.548 -31.764,-1.124 -29.64,-1.124 -28.314,-2.45 U3.40@-24.67,-2.45
  Bottom Layer w0.254: v1(-35.103,-2.58) -35.103,-2.447 -34.223,-1.567 -32.542,-1.567 -32.02,-1.045 -26.95,-1.045 -13.384,-14.611 17.482,-14.611 20.013,-17.142 20.013,-21.098 20.83,-21.915 R50.2@21.2,-21.915
NetR51_2: R51.2 U3.41 | length 72.9
  Top Layer w0.254: -28.456,-2.95 U3.41@-24.67,-2.95
  Bottom Layer w0.254: v1(-31.891,-2.672) -31.178,-1.768 -30.908,-1.499 -27.138,-1.499 -13.572,-15.065 17.294,-15.065 19.559,-17.33 19.559,-25.724 20.83,-26.995 R51.2@21.2,-26.995
NetR52_2: R52.2 U3.42 | length 77.2
  Top Layer w0.254: v1(-30.227,-2.54) -30.227,-2.744 -29.52,-3.45 U3.42@-24.67,-3.45
  Bottom Layer w0.254: v1(-30.227,-2.54) -26.739,-2.54 -13.76,-15.519 17.106,-15.519 19.105,-17.518 19.105,-29.652 20.467,-31.014 20.467,-31.712 20.83,-32.075 R52.2@21.2,-32.075
NetR53_2: R53.2 U3.48 | length 69.9
  Top Layer w0.254: v1(-25.9,-8.8) v1@-25.9,-8.614
  Bottom Layer w0.254: v1(-25.9,-8.8) -25.025,-7.925 -21.996,-7.925 -13.948,-15.973 16.918,-15.973 18.651,-17.706 18.651,-34.278 20.467,-36.094 20.467,-36.792 20.83,-37.155 R53.2@21.2,-37.155
NetR54_1: R54.1 SW1.4 U3.3 | length 35.9
  Top Layer w0.254: -11.713,-6.108 -11.713,-8.263 -9.823,-10.153 0.105,-10.153 0.75,-9.508 0.75,2.41 4.77,6.43 R54.1@4.77,6.8 SW1.4@7,6.8
NetR59_2: R59.2 R60.1 | length 2.8
  Top Layer w1: R60.1@43.66,12.175 R59.2@46.44,12.175
NetR61_2: R61.2 R62.1 | length 2.8
  Top Layer w1: R62.1@43.66,32.495 R61.2@46.44,32.495
NetR63_2: R63.2 R64.1 | length 2.8
  Bottom Layer w1: R64.1@43.66,17.255 R63.2@46.44,17.255
NetR65_2: R65.2 R66.1 | length 2.8
  Bottom Layer w1: R66.1@43.66,37.575 R65.2@46.44,37.575
NetR71_2: R71.2 R72.1 | length 2.8
  Top Layer w1: R72.1@43.66,22.335 R71.2@46.44,22.335
NetR73_2: R73.2 R74.1 | length 2.8
  Top Layer w1: R74.1@43.66,2.015 R73.2@46.44,2.015
NetR75_2: R75.2 R76.1 | length 2.8
  Bottom Layer w1: R76.1@43.66,27.415 R75.2@46.44,27.415
NetR77_2: R77.2 R78.1 | length 2.8
  Bottom Layer w1: R78.1@43.66,7.095 R77.2@46.44,7.095
NetR83_2: R83.2 R84.1 | length 2.8
  Top Layer w1: R84.1@43.66,-38.625 R83.2@46.44,-38.625
NetR85_2: R85.2 R86.1 | length 2.8
  Top Layer w1: R86.1@43.66,-18.305 R85.2@46.44,-18.305
NetR87_2: R87.2 R88.1 | length 2.8
  Bottom Layer w1: R88.1@43.66,-33.545 R87.2@46.44,-33.545
NetR89_2: R89.2 R90.1 | length 2.8
  Bottom Layer w1: R90.1@43.66,-13.225 R89.2@46.44,-13.225
NetR95_2: R95.2 R96.1 | length 2.8
  Top Layer w1: R96.1@43.66,-28.465 R95.2@46.44,-28.465
NetR97_2: R97.2 R98.1 | length 2.8
  Top Layer w1: R98.1@43.66,-8.145 R97.2@46.44,-8.145
NetR99_2: R99.2 R100.1 | length 2.8
  Bottom Layer w1: R100.1@43.66,-23.385 R99.2@46.44,-23.385
NetR101_2: R101.2 R102.1 | length 2.8
  Bottom Layer w1: R102.1@43.66,-3.065 R101.2@46.44,-3.065
NetR111_2: R111.2 U3.44 | length 10.1
  Top Layer w0.254: -24.587,-14.275 -24.587,-7.943 -23.608,-6.964 -23.608,-4.612
NetR112_1: R112.1 U13.7 | length 2.6
  Top Layer w0.254: R112.1@-19.565,-33 -19.565,-32.79 -19,-32.225 U13.7@-17.37,-32.225
NetR114_1: R114.1 U3.43 U13.4 | length 34.9
  Top Layer w0.254: U3.43@-24.67,-3.95 -23.628,-3.95 -23.139,-4.438 -23.139,-7.137 -23.952,-7.95 -23.952,-12.319 -21.288,-14.983 -21.288,-17.94 -22.564,-19.215 -22.564,-21.058 -23.42,-21.914 -23.42,-27.638 -21.993,-29.065 R114.1@-20.5,-29.065 -20.5,-29.959 -20.351,-30.108 -19.655,-30.108 -19.488,-30.275 U13.4@-17.37,-30.275
NetR119_2: R119.2 U3.22 | length 40.2
  Top Layer w0.254: U3.22@-17.75,2.97 -17.75,5.477 -14.33,8.896 -12.719,8.896 -10.236,11.379 13.679,11.379 15.2,12.9 R119.2@15.2,14.53
NetR120_2: R120.2 U3.23 | length 26.7
  Top Layer w0.254: U3.23@-18.25,2.97 -18.25,5.619 -14.493,9.376 -12.882,9.376 -10.424,11.833 0.225,11.833 1,12.608 R120.2@1,14.53
NetU3_49: U3.49 U13.3 | length 21.9
  Top Layer w0.254: U3.49@-22.75,-8.37 -22.75,-12.879 -20.834,-14.795 -20.834,-18.128 -22.11,-19.403 -22.11,-21.247 -22.966,-22.103 -22.966,-27.45 -22.178,-28.238
NetU3_50: U3.50 U13.2 | length 21.3
  Top Layer w0.254: U3.50@-22.25,-8.37 -22.25,-12.737 -20.326,-14.661 -20.326,-18.262 -21.656,-19.592 -21.656,-21.435 -22.512,-22.291 -22.512,-27.262 -21.99,-27.784
NetU3_51: U3.51 U13.1 | length 23.3
  Top Layer w0.254: U3.51@-21.75,-8.37 -21.75,-12.595 -19.872,-14.473 -19.872,-18.45 -21.202,-19.78 -21.202,-21.623 -22.058,-22.479 -22.058,-27.074 -21.802,-27.33 -19.278,-27.33
NetU3_54: U3.54 U4.3 | length 34.5
  Top Layer w0.254: U3.54@-20.25,-8.37 -20.25,-10.834 -15.029,-16.055 -4.228,-16.055 -2.851,-17.432 -2.851,-18.56 -4.11,-19.818 -4.11,-21.247 -4.623,-21.759 -4.623,-27.37 -3.715,-28.238
NetU3_55: U3.55 U4.2 | length 33.9
  Top Layer w0.254: U3.55@-19.75,-8.37 -19.75,-10.692 -14.841,-15.601 -4.04,-15.601 -2.397,-17.244 -2.397,-18.748 -3.656,-20.007 -3.656,-21.435 -4.169,-21.947 -4.169,-27.182 -3.527,-27.784
NetU3_56: U3.56 U4.1 | length 37.7
  Top Layer w0.254: U3.56@-19.25,-8.37 -19.25,-10.55 -14.653,-15.147 -3.852,-15.147 -1.943,-17.056 -1.943,-18.936 -3.202,-20.195 -3.202,-21.623 -3.715,-22.135 -3.715,-26.994 -3.509,-27.2 -1.075,-27.2 0.05,-28.325 U4.1@0.63,-28.325
OSC_IN: C7.2 U3.10 Y1.1 | length 16.2
  Top Layer w0.254: U3.10@-13.33,-1.95 -8.44,-1.95 cw(c-8.44,-4.49) -5.9,-4.49 Y1.1@-5.9,-6.45 -5.9,-7.613 -4.977,-8.536 C7.2@-2.1,-8.536
OSC_OUT: C6.2 U3.11 Y1.2 | length 16.2
  Top Layer w0.254: U3.11@-13.33,-1.45 -8.44,-1.45 ccw(c-8.44,1.09) -5.9,1.09 Y1.2@-5.9,3.05 -5.9,4.213 -4.977,5.136 C6.2@-2.1,5.136
RX: J2.02 U3.26 | length 8.4
  Top Layer w0.254: U3.26@-19.75,2.97 -19.75,7.667 -19.4,8.017 J2.02@-19.4,11.2
SCL: EEPROM1.5 R6.1 U3.30 | length 13.3
  Top Layer w0.254: R6.1@-29.635,4.6 -29.262,4.973 -29.262,7.007 -28.548,7.722 EEPROM1.5@-28.023,7.722 -24.922,7.722 -21.75,4.55 U3.30@-21.75,2.97
SDA: EEPROM1.4 R7.1 U3.31 | length 7.9
  Top Layer w0.254: EEPROM1.4@-28.023,6.452 -25.9,6.441 -24.535,6.435 -22.25,4.15 U3.31@-22.25,2.97
SWDCLK: J3.03 R4.1 U3.46 | length 11.9
  Top Layer w0.254: J3.03@-32.512,-4.699 -31.046,-6.165 -29.6,-6.165 ; R4.1@-29.7,-9.23 -29.6,-9.23 -29.6,-6.165 ; U3.46@-24.67,-5.45 -25.709,-5.45 -26.424,-6.165 -29.6,-6.165
SWDIO: J3.02 U3.45 | length 6
  Top Layer w0.254: J3.02@-29.972,-4.699 -28.96,-5.711 -26.612,-5.711 -25.851,-4.95 U3.45@-24.67,-4.95
TX: J2.03 U3.25 | length 9.2
  Top Layer w0.254: U3.25@-19.25,2.97 -19.25,7.217 -16.86,9.607 J2.03@-16.86,11.2
VCP1: C15.1 U4.12
VCP2: C28.1 U13.12
pads on no net: 1.2 2.5 K1.2 K2.2 K3.2 K4.2 U3.5

## Polygon pours and split planes (outlines as drawn)
GND on Bottom Layer "NONET_L-01_P-001" (solid, remove dead copper, shelved, pour order 4): -25.654,3.937 -12.319,3.937 -12.319,-9.398 -25.654,-9.398
GND on Bottom Layer "NONET_L-01_P-001" (solid, remove dead copper, shelved, pour order 1): -6.5,-20.6 -6.5,-40.6 13.5,-40.6 13.5,-20.6
GND on Bottom Layer "NONET_L-01_P-001" (solid, remove dead copper, shelved, pour order 0): -24.5,-20.6 -24.5,-40.6 -4.5,-40.6 -4.5,-20.6
GND on Top Layer "NONET_L-01_P-001" (solid, remove dead copper, shelved, pour order 3): -6.5,-20.6 -6.5,-40.6 13.5,-40.6 13.5,-20.6
GND on Top Layer "NONET_L-01_P-001" (solid, remove dead copper, shelved, pour order 2): -24.5,-20.6 -24.5,-40.6 -4.5,-40.6 -4.5,-20.6
GND on Top Layer "NONET_L-01_P-001" (solid, remove dead copper, shelved, pour order 5): -25.654,3.937 -12.319,3.937 -12.319,-9.398 -25.654,-9.398

## Silkscreen, mask and mechanical layers (free items; w line width, h text height)
Mechanical 1:
  the board outline again, w0.254

## Text inside footprints (layer, text, board x,y; h text height)
*1: Top Overlay "mp1584 module" at -39.7,-12.7 h1.52 r270
D1: Bottom Overlay "+" at -42.7,-29.55 h0.89 r180
D4: Bottom Overlay "+" at 31.4,38.025 h0.89 r180
D5: Bottom Overlay "+" at 31.4,32.945 h0.89 r180
D6: Bottom Overlay "+" at 31.4,27.865 h0.89 r180
D7: Bottom Overlay "+" at 31.4,22.785 h0.89 r180
D8: Bottom Overlay "+" at 31.4,17.705 h0.89 r180
D9: Bottom Overlay "+" at 31.4,12.625 h0.89 r180
D10: Bottom Overlay "+" at 31.4,7.545 h0.89 r180
D11: Bottom Overlay "+" at 31.4,2.465 h0.89 r180
D12: Bottom Overlay "+" at 31.4,-2.615 h0.89 r180
D13: Bottom Overlay "+" at 31.4,-7.695 h0.89 r180
D14: Bottom Overlay "+" at 31.4,-12.775 h0.89 r180
D15: Bottom Overlay "+" at 31.4,-17.855 h0.89 r180
D16: Bottom Overlay "+" at 31.4,-22.935 h0.89 r180
D17: Bottom Overlay "+" at 31.4,-28.015 h0.89 r180
D18: Top Overlay "+" at 25.8,-33.095 h0.89 r180
D19: Bottom Overlay "+" at 31.4,-38.175 h0.89 r180
D20: Top Overlay "+" at 36.5,16.805 h0.89
D21: Top Overlay "+" at 36.5,37.125 h0.89
D22: Top Overlay "+" at 36.5,26.965 h0.89
D23: Top Overlay "+" at 36.5,6.645 h0.89
D24: Top Overlay "+" at 36.5,-33.995 h0.89
D25: Top Overlay "+" at 36.5,-13.675 h0.89
D26: Top Overlay "+" at 36.5,-23.835 h0.89
D27: Top Overlay "+" at 36.5,-3.515 h0.89
SW1: Bottom Overlay "A" at 14,-7.7 h1; Bottom Overlay "B" at 5.7,-7.7 h1; Bottom Overlay "C" at 9.9,-5.7 h1; Bottom Overlay "D" at 13.9,7.3 h1; Bottom Overlay "E" at 5.7,7.4 h1